# Altium PCB PCB2.PcbDoc
Units mm, origin at the board's own origin, x right, y up, seen from the top; angles counter-clockwise.
Board outline 271.91 x 209.04 mm, 2 copper layers (Top Layer, Bottom Layer); 168 components, 144 nets, 528 pads, 0 vias.
Unrouted connection lines stored in the file: 15.
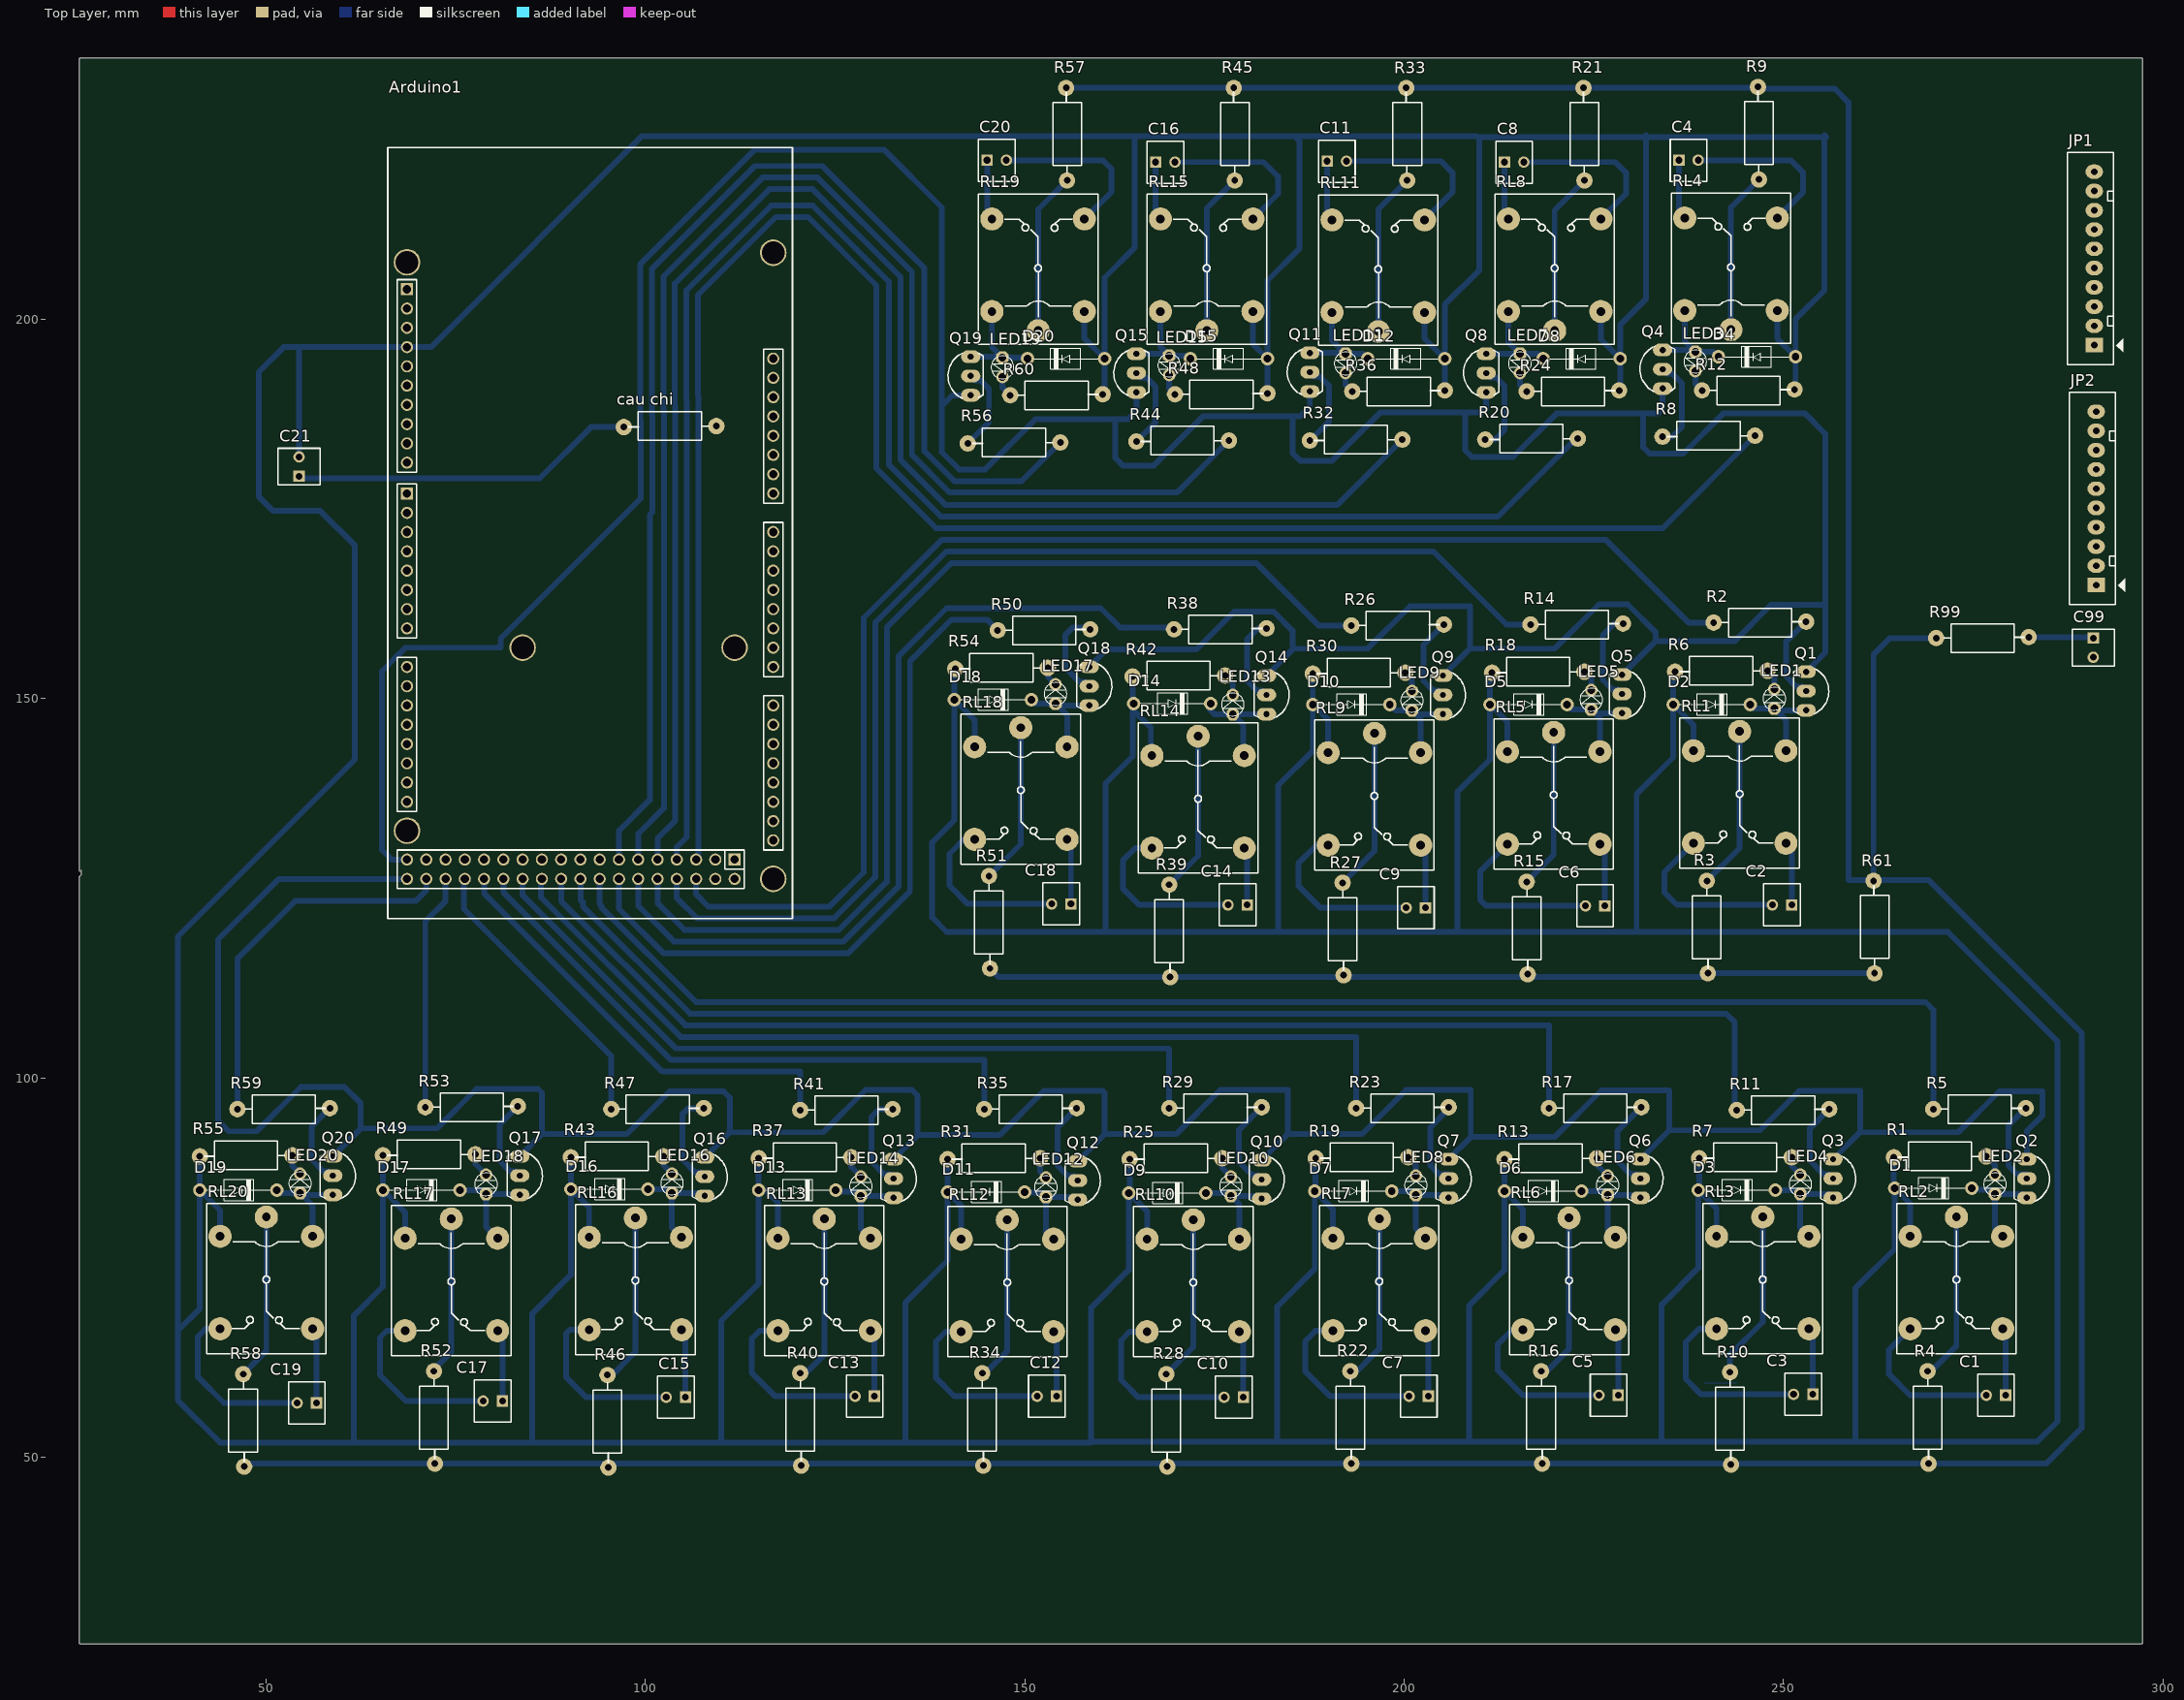
[diagram p0: Top Layer view]
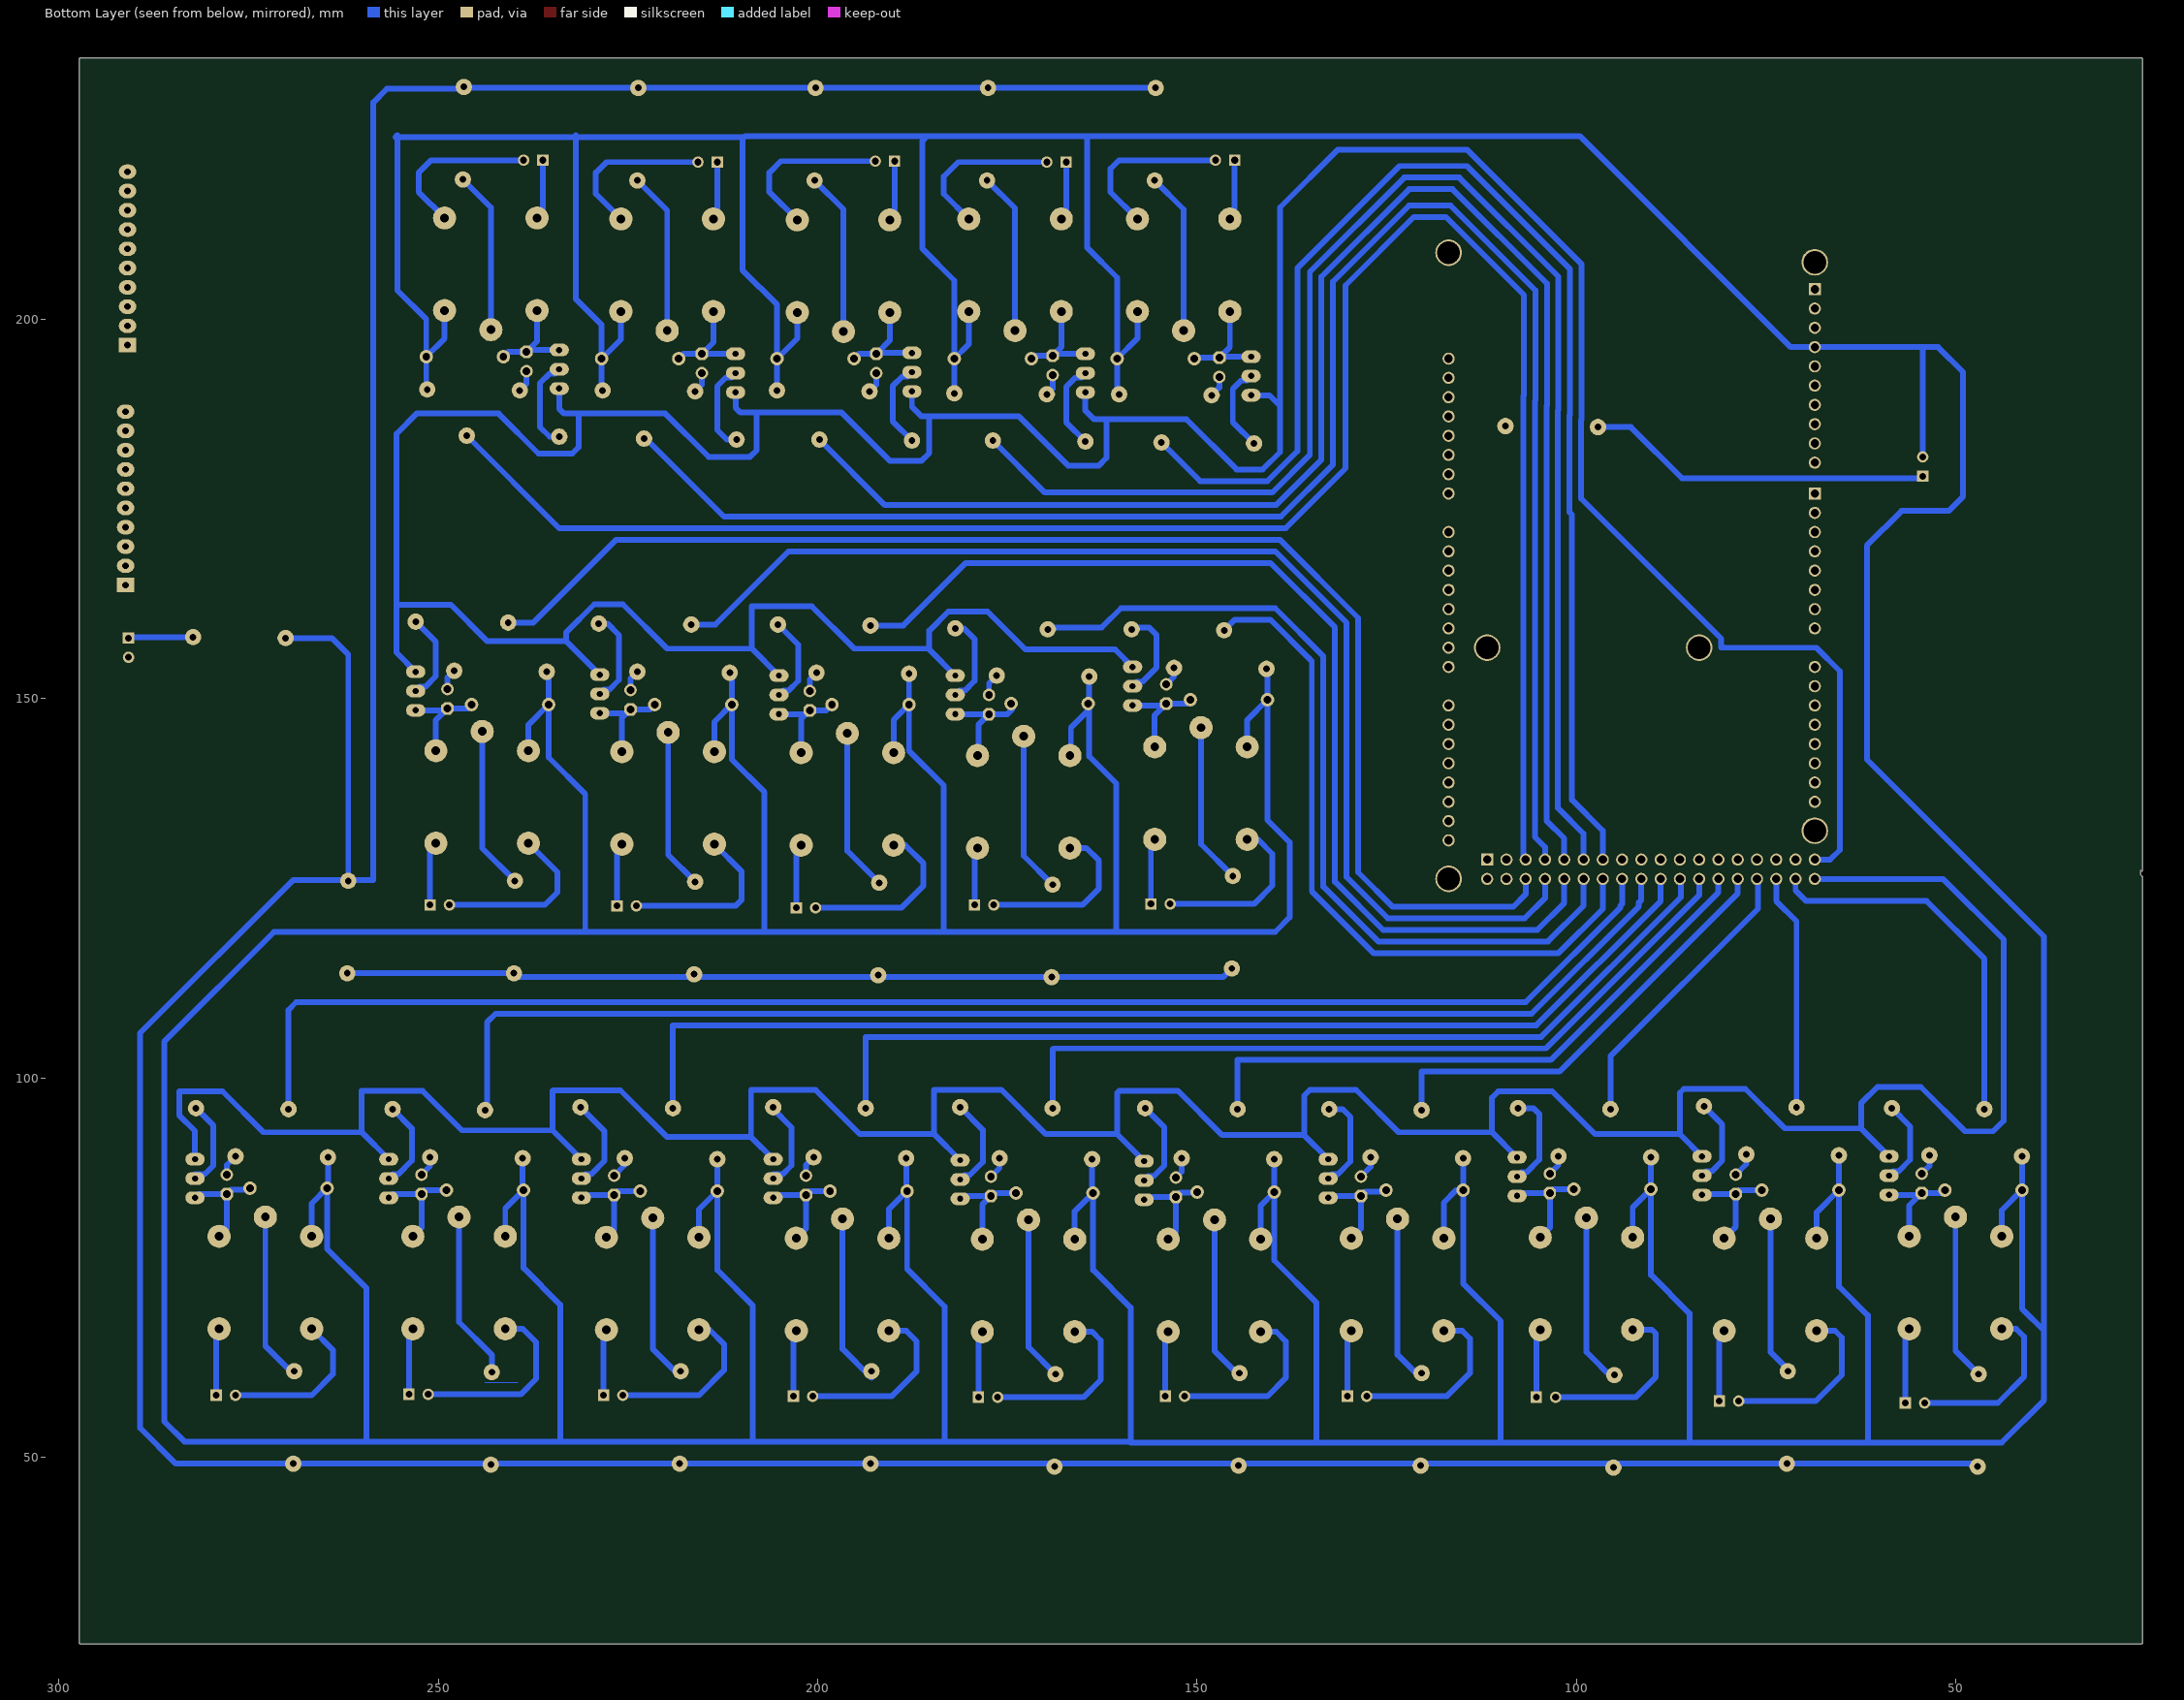
[diagram p1: Bottom Layer view, seen from below]

## Layer stack, top to bottom
Top Solder: solder mask 0.0102, Solder Resist, Dk 3.5
Top Layer: signal copper 0.0356
Dielectric 1: dielectric 0.32, FR-4, Dk 4.8
Bottom Layer: signal copper 0.0356
Bottom Solder: solder mask 0.0102, Solder Resist, Dk 3.5

## Board outline
25.4,25.527 25.4,126.492 cw(c25.527,126.492) 25.437,126.583 25.437,126.582 25.654,126.799 25.654,127.367 cw(c25.527,127.381) 25.4,127.381 25.4,234.315 cw(c25.527,234.315) 25.527,234.442 297.18,234.442 cw(c297.18,234.315) 297.307,234.315 297.307,25.527 cw(c297.18,25.527) 297.18,25.4 25.527,25.4 cw(c25.527,25.527)

## Design rules (kind name [scope] priority, off if disabled: settings)
Clearance [All] p1: gap=0.762 ignorepadtopadclearanceinfootprint=FALSE
PolygonConnect [All] p1: connectstyle=Relief reliefconductorwidth=0.254 reliefentries=4 polygonreliefangle="90 Angle" airgapwidth=0.254
RoomDefinition Sheet2 [InComponentClass('Sheet2')] p1: confinementstyle=ConfineIn formatcopy=TRUE lockcomponents=FALSE outline 0,0 50.8,0 50.8,25.4 0,25.4
RoutingLayers [All] p1: top layer_v5=FALSE bottom layer_v5=TRUE
RoutingVias [All] p1: holewidth=0.762 width=2.032 viastyle="Through Hole" minholewidth=0.762 minwidth=2.032 maxholewidth=0.762 maxwidth=2.032
SolderMaskExpansion [All] p1: expansion=0.102
Width [All] p1: maxlimit=0.762 minlimit=0.508 preferedwidth=0.762
29 further rules are at their usual default settings.

## Components (designator, comment, footprint, x,y, rotation, side; value= is the part's Value field where it differs from the comment)
Arduino1 "Arduino Mega2560" "Arduino MEGA2560" 93.345,173.228 r90 top value="Cau 1A"
C1 "Header2" HDR2 279.273,58.166 r180 top
C2 "Header2" HDR2 251.079,122.809 r180 top
C3 "Header2" HDR2 253.873,58.293 r180 top
C4 "Header2" HDR2 236.22,220.98 r0 top
C5 "Header2" HDR2 228.219,58.166 r180 top
C6 "Header2" HDR2 226.441,122.682 r180 top
C7 "Header2" HDR2 203.2,58.039 r180 top
C8 "Header2" HDR2 213.233,220.726 r0 top
C9 "Header2" HDR2 202.819,122.428 r180 top
C10 "Header2" HDR2 178.816,57.912 r180 top
C11 "Header2" HDR2 189.865,220.853 r0 top
C12 "Header2" HDR2 154.178,58.039 r180 top
C13 "Header2" HDR2 130.175,58.039 r180 top
C14 "Header2" HDR2 179.324,122.809 r180 top
C15 "Header2" HDR2 105.283,57.912 r180 top
C16 "Header2" HDR2 167.259,220.726 r0 top
C17 "Header2" HDR2 81.153,57.404 r180 top
C18 "Header2" HDR2 156.083,122.936 r180 top
C19 "Header2" HDR2 56.642,57.15 r180 top
C20 "Header2" HDR2 145.034,220.98 r0 top
C21 "Header2" HDR2 54.356,179.324 r90 top
C99 "Header2" HDR2 290.83,157.988 r270 top
"cau chi" "Res" RES-1/2W 102.743,185.928 r0 top
D1 "Diode" DIO-1A 264.668,85.471 r0 top value=1N5007
D2 "Diode" DIO-1A 235.458,149.225 r0 top value=1N5007
D3 "Diode" DIO-1A 238.76,85.217 r0 top value=1N5007
D4 "Diode" DIO-1A 251.587,195.072 r180 top value=1N5007
D5 "Diode" DIO-1A 211.328,149.225 r0 top value=1N5007
D6 "Diode" DIO-1A 213.233,85.09 r0 top value=1N5007
D7 "Diode" DIO-1A 188.214,85.09 r0 top value=1N5007
D8 "Diode" DIO-1A 228.473,194.818 r180 top value=1N5007
D9 "Diode" DIO-1A 163.703,84.836 r0 top value=1N5007
D10 "Diode" DIO-1A 187.96,149.225 r0 top value=1N5007
D11 "Diode" DIO-1A 139.827,84.963 r0 top value=1N5007
D12 "Diode" DIO-1A 205.359,194.818 r180 top value=1N5007
D13 "Diode" DIO-1A 114.935,85.217 r0 top value=1N5007
D14 "Diode" DIO-1A 164.338,149.352 r0 top value=1N5007
D15 "Diode" DIO-1A 181.991,194.818 r180 top value=1N5007
D16 "Diode" DIO-1A 90.17,85.344 r0 top value=1N5007
D17 "Diode" DIO-1A 65.405,85.217 r0 top value=1N5007
D18 "Diode" DIO-1A 140.716,149.86 r0 top value=1N5007
D19 "Diode" DIO-1A 41.275,85.217 r0 top value=1N5007
D20 "Diode" DIO-1A 160.528,194.818 r180 top value=1N5007
JP1 "JP10" Header10 290.957,196.596 r90 top value="Connector 10"
JP2 "JP10" Header10 291.211,164.973 r90 top value="Connector 10"
LED1 "LED" LED-3MM-YELLOW 248.793,148.717 r90 top value="LED 3 ly Single Colour"
LED2 "LED" LED-3MM-YELLOW 277.876,84.709 r90 top value="LED 3 ly Single Colour"
LED3 "LED" LED-3MM-YELLOW 238.379,195.707 r270 top value="LED 3 ly Single Colour"
LED4 "LED" LED-3MM-YELLOW 252.222,84.709 r90 top value="LED 3 ly Single Colour"
LED5 "LED" LED-3MM-YELLOW 224.663,148.59 r90 top value="LED 3 ly Single Colour"
LED6 "LED" LED-3MM-YELLOW 226.822,84.582 r90 top value="LED 3 ly Single Colour"
LED7 "LED" LED-3MM-YELLOW 215.265,195.453 r270 top value="LED 3 ly Single Colour"
LED8 "LED" LED-3MM-YELLOW 201.549,84.582 r90 top value="LED 3 ly Single Colour"
LED9 "LED" LED-3MM-YELLOW 201.041,148.463 r90 top value="LED 3 ly Single Colour"
LED10 "LED" LED-3MM-YELLOW 177.165,84.455 r90 top value="LED 3 ly Single Colour"
LED11 "LED" LED-3MM-YELLOW 192.278,195.453 r270 top value="LED 3 ly Single Colour"
LED12 "LED" LED-3MM-YELLOW 152.781,84.328 r90 top value="LED 3 ly Single Colour"
LED13 "LED" LED-3MM-YELLOW 177.419,147.955 r90 top value="LED 3 ly Single Colour"
LED14 "LED" LED-3MM-YELLOW 128.397,84.455 r90 top value="LED 3 ly Single Colour"
LED15 "LED" LED-3MM-YELLOW 169.037,195.199 r270 top value="LED 3 ly Single Colour"
LED16 "LED" LED-3MM-YELLOW 103.505,84.836 r90 top value="LED 3 ly Single Colour"
LED17 "LED" LED-3MM-YELLOW 154.051,149.352 r90 top value="LED 3 ly Single Colour"
LED18 "LED" LED-3MM-YELLOW 78.994,84.709 r90 top value="LED 3 ly Single Colour"
LED19 "LED" LED-3MM-YELLOW 147.066,194.945 r270 top value="LED 3 ly Single Colour"
LED20 "LED" LED-3MM-YELLOW 54.483,84.836 r90 top value="LED 3 ly Single Colour"
Q1 "2N3906" TO92-123 252.984,151.003 r270 top value=A1015
Q2 "2N3906" TO92-123 282.067,86.741 r270 top value=A1015
Q3 "2N3906" TO92-123 256.54,86.741 r270 top value=A1015
Q4 "2N3906" TO92-123 234.061,193.421 r90 top value=A1015
Q5 "2N3906" TO92-123 228.727,150.622 r270 top value=A1015
Q6 "2N3906" TO92-123 231.14,86.741 r270 top value=A1015
Q7 "2N3906" TO92-123 205.867,86.741 r270 top value=A1015
Q8 "2N3906" TO92-123 210.82,192.913 r90 top value=A1015
Q9 "2N3906" TO92-123 205.105,150.495 r270 top value=A1015
Q10 "2N3906" TO92-123 181.229,86.614 r270 top value=A1015
Q11 "2N3906" TO92-123 187.579,193.04 r90 top value=A1015
Q12 "2N3906" TO92-123 156.972,86.487 r270 top value=A1015
Q13 "2N3906" TO92-123 132.715,86.741 r270 top value=A1015
Q14 "2N3906" TO92-123 181.864,150.495 r270 top value=A1015
Q15 "2N3906" TO92-123 164.719,192.913 r90 top value=A1015
Q16 "2N3906" TO92-123 107.823,86.995 r270 top value=A1015
Q17 "2N3906" TO92-123 83.439,87.122 r270 top value=A1015
Q18 "2N3906" TO92-123 158.496,151.638 r270 top value=A1015
Q19 "2N3906" TO92-123 142.875,192.532 r90 top value=A1015
Q20 "2N3906" TO92-123 58.801,87.122 r270 top value=A1015
R1 "Res" RES-1/2W 270.129,89.662 r0 top
R2 "Res" RES-1/2W 247.396,160.02 r180 top
R3 "Cau chi" RES-1/2W 239.903,119.38 r90 top
R4 "Cau chi" RES-1/2W 268.986,54.737 r90 top
R5 "Res" RES-1/2W 276.352,95.885 r180 top
R6 "Res" RES-1/2W 241.3,153.67 r0 top
R7 "Res" RES-1/2W 244.475,89.535 r0 top
R8 "Res" RES-1/2W 239.649,184.658 r0 top
R9 "Cau chi" RES-1/2W 246.761,225.044 r270 top
R10 "Cau chi" RES-1/2W 242.951,54.61 r90 top
R11 "Res" RES-1/2W 250.444,95.758 r180 top
R12 "Res" RES-1/2W 245.872,190.627 r180 top
R13 "Res" RES-1/2W 218.821,89.408 r0 top
R14 "Res" RES-1/2W 223.266,159.766 r180 top
R15 "Cau chi" RES-1/2W 216.154,119.253 r90 top
R16 "Cau chi" RES-1/2W 218.059,54.737 r90 top
R17 "Res" RES-1/2W 225.679,96.012 r180 top
R18 "Res" RES-1/2W 217.17,153.543 r0 top
R19 "Res" RES-1/2W 193.929,89.535 r0 top
R20 "Res" RES-1/2W 216.281,184.277 r0 top
R21 "Cau chi" RES-1/2W 223.774,224.917 r270 top
R22 "Cau chi" RES-1/2W 192.913,54.737 r90 top
R23 "Res" RES-1/2W 200.279,96.012 r180 top
R24 "Res" RES-1/2W 222.758,190.5 r180 top
R25 "Res" RES-1/2W 169.418,89.408 r0 top
R26 "Res" RES-1/2W 199.644,159.639 r180 top
R27 "Cau chi" RES-1/2W 191.897,119.126 r90 top
R28 "Cau chi" RES-1/2W 168.656,54.356 r90 top
R29 "Res" RES-1/2W 175.641,96.012 r180 top
R30 "Res" RES-1/2W 193.548,153.416 r0 top
R31 "Res" RES-1/2W 145.415,89.408 r0 top
R32 "Res" RES-1/2W 193.167,184.15 r0 top
R33 "Cau chi" RES-1/2W 200.406,224.917 r270 top
R34 "Cau chi" RES-1/2W 144.399,54.483 r90 top
R35 "Res" RES-1/2W 151.257,95.885 r180 top
R36 "Res" RES-1/2W 199.771,190.5 r180 top
R37 "Res" RES-1/2W 120.523,89.535 r0 top
R38 "Res" RES-1/2W 176.276,159.131 r180 top
R39 "Cau chi" RES-1/2W 169.037,118.872 r90 top
R40 "Cau chi" RES-1/2W 120.396,54.483 r90 top
R41 "Res" RES-1/2W 127,95.758 r180 top
R42 "Res" RES-1/2W 169.799,153.035 r0 top
R43 "Res" RES-1/2W 95.758,89.662 r0 top
R44 "Res" RES-1/2W 170.307,184.023 r0 top
R45 "Cau chi" RES-1/2W 177.673,224.917 r270 top
R46 "Cau chi" RES-1/2W 94.996,54.229 r90 top
R47 "Res" RES-1/2W 102.108,95.885 r180 top
R48 "Res" RES-1/2W 176.403,190.119 r180 top
R49 "Res" RES-1/2W 70.993,89.916 r0 top
R50 "Res" RES-1/2W 153.035,159.004 r180 top
R51 "Cau chi" RES-1/2W 145.288,120.015 r90 top
R52 "Cau chi" RES-1/2W 72.136,54.737 r90 top
R53 "Res" RES-1/2W 77.597,96.139 r180 top
R54 "Res" RES-1/2W 146.431,154.051 r0 top
R55 "Res" RES-1/2W 46.863,89.789 r0 top
R56 "Res" RES-1/2W 148.082,183.769 r0 top
R57 "Cau chi" RES-1/2W 155.575,224.917 r270 top
R58 "Cau chi" RES-1/2W 46.99,54.356 r90 top
R59 "Res" RES-1/2W 52.832,95.885 r180 top
R60 "Res" RES-1/2W 154.686,189.992 r180 top
R61 "Res" RES-1/2W 262.001,120.396 r270 top
R99 "Res" RES-1/2W 276.733,157.988 r180 top
RL1 "Relay 10A/12V" "RELAY 5" 244.221,137.414 r270 top value="Relay SPDT, 10A, 12V"
RL2 "Relay 10A/12V" "RELAY 5" 272.796,73.406 r270 top value="Relay SPDT, 10A, 12V"
RL3 "Relay 10A/12V" "RELAY 5" 247.269,73.406 r270 top value="Relay SPDT, 10A, 12V"
RL4 "Relay 10A/12V" "RELAY 5" 243.078,206.883 r90 top value="Relay SPDT, 10A, 12V"
RL5 "Relay 10A/12V" "RELAY 5" 219.71,137.287 r270 top value="Relay SPDT, 10A, 12V"
RL6 "Relay 10A/12V" "RELAY 5" 221.742,73.279 r270 top value="Relay SPDT, 10A, 12V"
RL7 "Relay 10A/12V" "RELAY 5" 196.723,73.152 r270 top value="Relay SPDT, 10A, 12V"
RL8 "Relay 10A/12V" "RELAY 5" 219.837,206.756 r90 top value="Relay SPDT, 10A, 12V"
RL9 "Relay 10A/12V" "RELAY 5" 196.088,137.16 r270 top value="Relay SPDT, 10A, 12V"
RL10 "Relay 10A/12V" "RELAY 5" 172.212,73.025 r270 top value="Relay SPDT, 10A, 12V"
RL11 "Relay 10A/12V" "RELAY 5" 196.596,206.629 r90 top value="Relay SPDT, 10A, 12V"
RL12 "Relay 10A/12V" "RELAY 5" 147.701,73.025 r270 top value="Relay SPDT, 10A, 12V"
RL13 "Relay 10A/12V" "RELAY 5" 123.571,73.152 r270 top value="Relay SPDT, 10A, 12V"
RL14 "Relay 10A/12V" "RELAY 5" 172.847,136.779 r270 top value="Relay SPDT, 10A, 12V"
RL15 "Relay 10A/12V" "RELAY 5" 173.99,206.756 r90 top value="Relay SPDT, 10A, 12V"
RL16 "Relay 10A/12V" "RELAY 5" 98.679,73.279 r270 top value="Relay SPDT, 10A, 12V"
RL17 "Relay 10A/12V" "RELAY 5" 74.422,73.152 r270 top value="Relay SPDT, 10A, 12V"
RL18 "Relay 10A/12V" "RELAY 5" 149.479,137.922 r270 top value="Relay SPDT, 10A, 12V"
RL19 "Relay 10A/12V" "RELAY 5" 151.765,206.756 r90 top value="Relay SPDT, 10A, 12V"
RL20 "Relay 10A/12V" "RELAY 5" 50.038,73.406 r270 top value="Relay SPDT, 10A, 12V"
